# KiCad board A64-OlinuXino_Rev_C.kicad_pcb (continued)
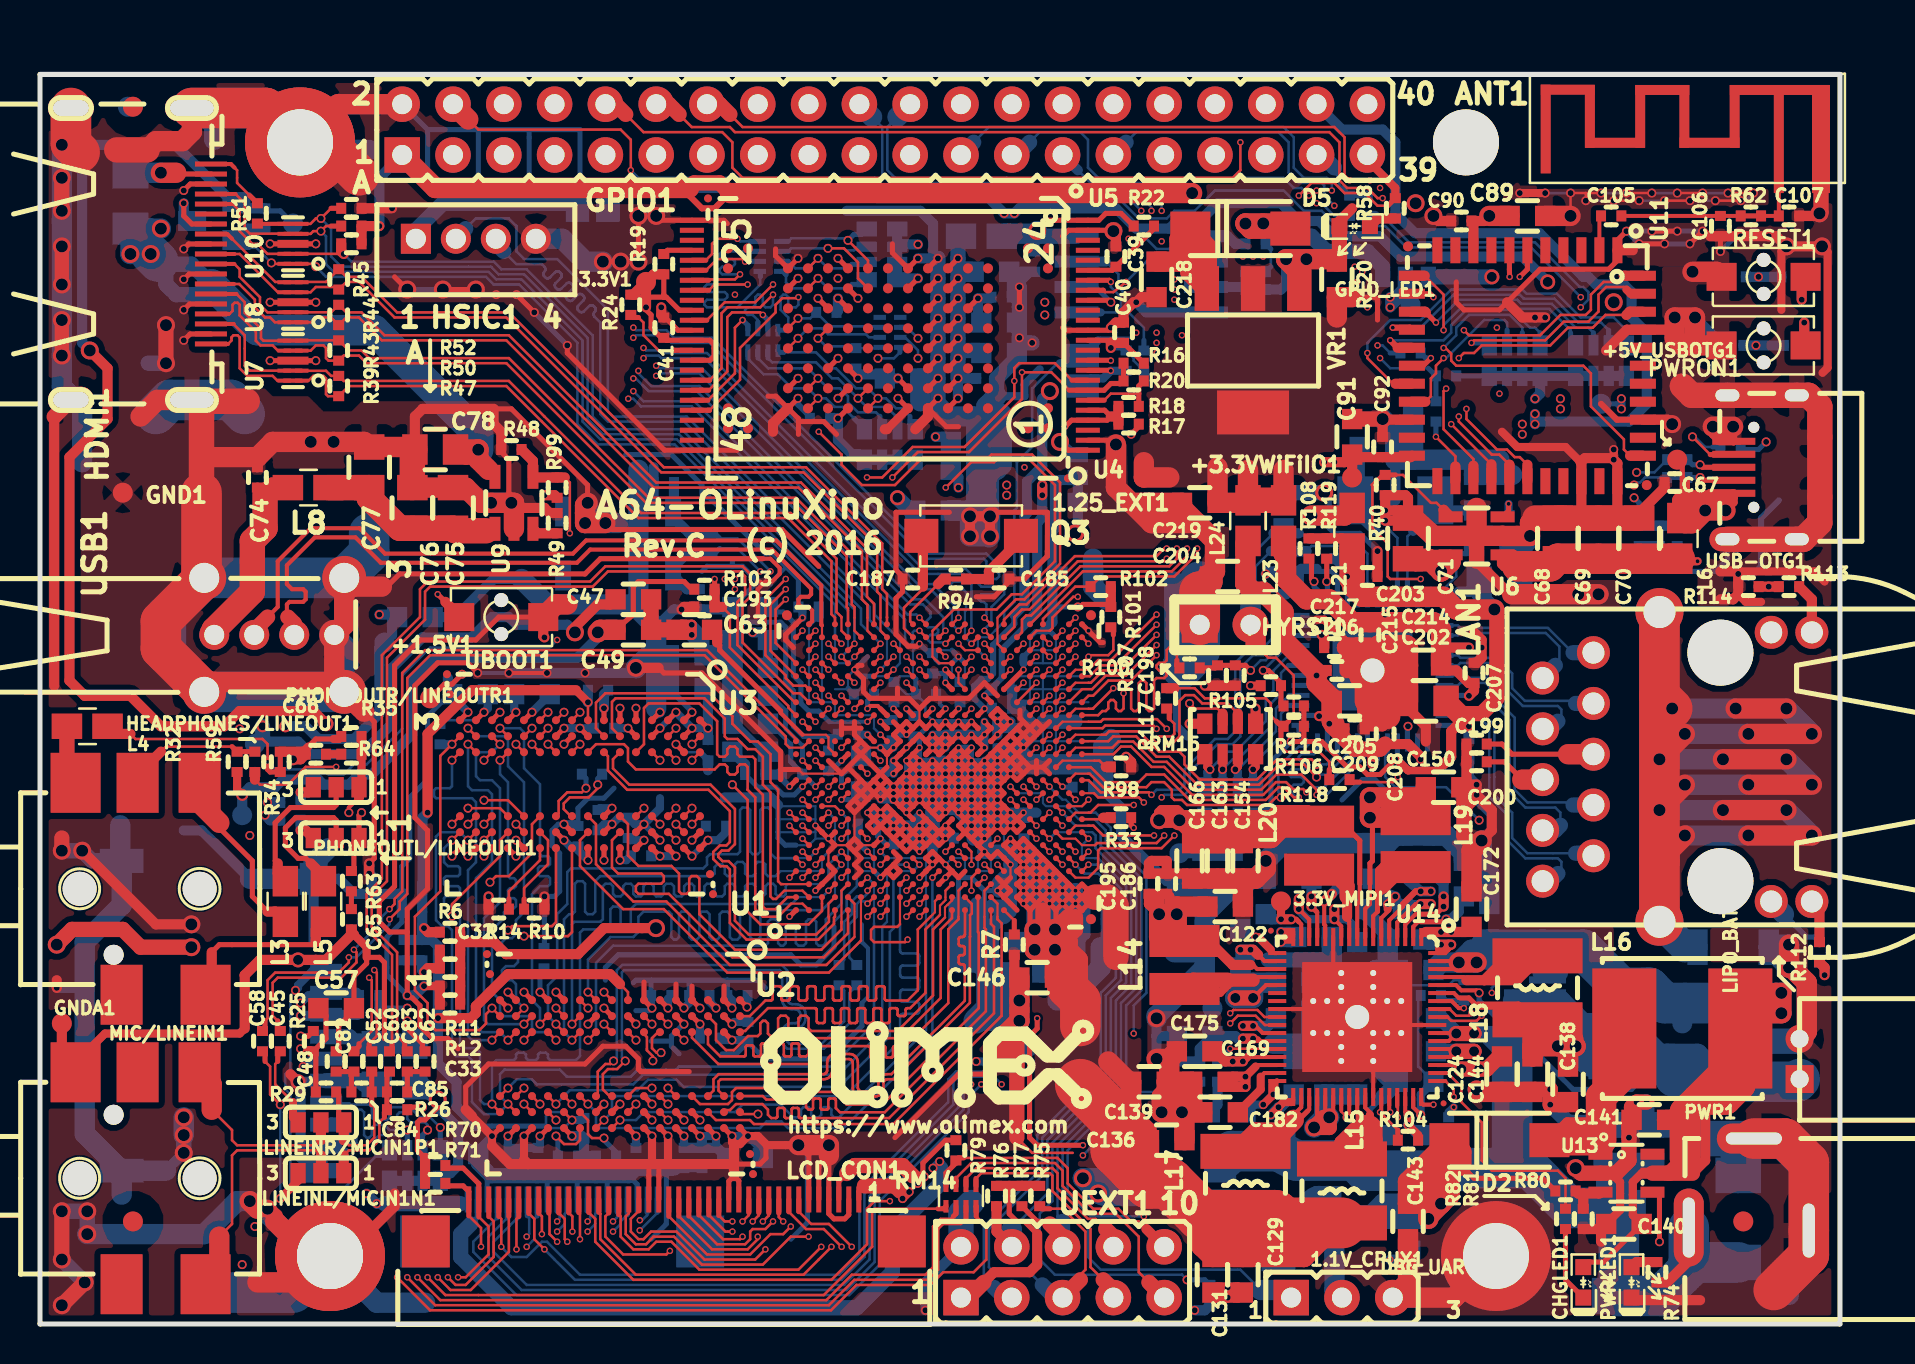
[diagram p0: board, top side]
## Routing (per net, layer and track width the routed paths; a pad name or vN(x,y) marks a point on that pad's centre or on a via; arc(x,y) is an arc through that point) (continued)
SPI0_CS: length 177.7
  Top w0.127: U1.P19 v4(46.57,32.72) ; v4(19.38,2.34) 20.27,1.45 39.19,1.45 41.6,3.86 41.6,5.64 41.73,5.77 44.91,5.77
  Top w0.254: v4(53.54,48.18) 53.52,48.2 U4.10 ; RM14.4.2 45.18,5.77 44.91,5.77
  In2.Cu w0.127: v4(53.54,48.18) 49.86,48.18 49.48,48.56 47.7,48.56 46.94,49.33 46.94,50.6 46.4,51.14 46.4,51.6 46.2,51.8 37.4,51.8 35.68,53.52 35,53.52 34.87,53.39 34.87,52.88 33.6,51.61 27.89,51.61 24.08,47.8 17.6,47.8 14.94,45.14 12.9,45.14 11.89,44.12 4.14,44.12 1.73,41.71 1.73,26.21 3.76,24.18 3.76,20.37 2.36,18.97 2.36,10.08 7.7,4.75 10.24,4.75 10.62,4.37 11.25,4.37 12.52,5.64 15.32,5.64 17.6,3.35 18.36,3.35 v4(19.38,2.34)
  In3.Cu w0.107: 46.9,33.05 47.55,33.05
  In3.Cu w0.127: v4(46.57,32.72) 46.9,33.05 ; 47.55,33.05 47.88,33.38 47.88,34.13 48.34,34.59 48.34,37.52 49.35,38.53 49.35,42.34 49.99,42.98 49.99,44.5 50.75,45.26 51.38,45.26 53.16,47.04 53.16,47.8 v4(53.54,48.18) 54.05,48.69 54.05,50.6 54.31,50.85 54.31,51.49 54.81,51.99 54.81,53.9 v4(54.43,54.28)
  Bottom w0.127: 57.1,54.41 56.46,53.77 55.83,53.77 55.32,54.28 v4(54.43,54.28)
  Bottom w0.508: R53.1 59.77,54.03 59.38,54.41 U12.1 57.1,54.41
SPI0_MISO: length 187.9
  Top w0.127: 53.16,51.7 53.25,51.61 53.67,51.61 v4(54.31,52.12) ; U1.K18 v4(43.32,32.08) ; 46.81,5.39 47.32,4.88 47.32,3.23 46.69,2.59 45.16,2.59 44.53,1.96 40.82,1.96 39.55,0.69 19.51,0.69 v4(17.86,2.34)
  Top w0.254: 53.13,51.7 53.16,51.7 U4.17 ; 46.81,5.39 46.81,5.88 RM14.1.2
  In2.Cu w0.107: 44.15,35.99 44.3,35.84 44.3,32.56
  In2.Cu w0.127: v4(43.32,32.08) 43.66,32.08 43.92,32.33 44.15,32.33 44.3,32.49 44.3,32.56 ; 44.15,35.99 43.76,36.37 43.76,40.18 44.15,40.56 44.15,42.47 44.78,43.1 48.97,43.1 v4(49.22,42.85) ; v4(54.31,52.12) 53.67,52.76 52.91,52.76 52.15,53.52 48.21,53.52 46.69,55.04 41.1,55.04 40.97,55.17 39.83,55.17 39.7,55.04 34.62,55.04 34.11,54.53 34.11,53.26 33.22,52.38 27.51,52.38 23.7,48.56 17.22,48.56 14.55,45.9 12.27,45.9 11.25,44.88 3.76,44.88 0.97,42.09 0.97,25.83 3,23.8 3,23.29 2.62,22.91 0.97,22.91 0.71,22.66 0.71,20.24 1.6,19.36 1.6,9.32 6.93,3.99 9.86,3.99 10.74,3.1 10.74,1.32 11.25,0.81 16.33,0.81 v4(17.86,2.34)
  In3.Cu w0.127: v4(49.22,42.85) 49.73,43.36 49.73,44.63 50.62,45.52 51.24,45.52 52.02,46.3 52.02,48.95 54.05,50.98 54.05,51.87 v4(54.31,52.12)
  Bottom w0.127: 57.1,53.14 55.32,53.14 v4(54.31,52.12)
  Bottom w0.508: U12.2 57.1,53.14
SPI0_MOSI: length 174.4
  Top w0.127: 46.3,5.25 46.05,5 45.16,5 44.91,4.75 44.91,2.72 44.4,2.21 40.72,2.21 39.45,0.94 19.76,0.94 v4(18.36,2.34) ; v4(47.22,34.03) U1.T21
  Top w0.254: RM14.2.2 46.3,5.25 ; v4(53.54,52.12) 53.46,52.2 U4.18
  In2.Cu w0.127: v4(53.54,52.12) 53.16,52.5 52.78,52.5 52.02,53.26 48.08,53.26 46.56,54.79 40.97,54.79 40.84,54.91 39.95,54.91 39.83,54.79 34.75,54.79 34.37,54.41 34.37,53.14 33.35,52.12 27.64,52.12 23.83,48.31 17.35,48.31 14.68,45.64 12.52,45.64 11.51,44.63 3.89,44.63 1.22,41.96 1.22,25.96 3.25,23.93 3.25,20.75 1.85,19.35 1.85,9.58 7.19,4.24 9.98,4.24 11,3.23 11,1.58 11.51,1.07 16.08,1.07 17.73,2.72 17.98,2.72 v4(18.36,2.34)
  In3.Cu w0.107: 46.9,34.35 46.9,35.65
  In3.Cu w0.127: v4(53.54,52.12) 53.03,51.61 53.03,50.85 51.51,49.33 51.51,46.53 51,46.02 50.37,46.02 49.22,44.88 49.22,43.87 48.59,43.23 48.59,42.47 48.84,42.22 48.84,38.79 47.83,37.77 47.83,36.58 46.9,35.65 ; v4(47.22,34.03) 46.9,34.35
  Bottom w0.127: 53.03,50.6 53.8,50.6 54.05,50.85 54.05,51.36 53.54,51.87 v4(53.54,52.12)
  Bottom w0.406: 53.03,50.6 U12.5
TWI0-SCK: length 64.7
  Top w0.127: v4(20.9,2.34) 21.28,2.34 22.43,3.48 22.43,4.88 21.94,5.36 ; U1.W11 v4(49.82,26.88)
  Top w0.254: R70.1 20.4,7.8 21.16,7.8 21.94,7.02 LCD_CON1.39 21.94,5.36
  In2.Cu w0.127: 50.24,27.74 50.24,27.74 ; 50.24,27.74 51.76,27.74 52.15,27.36 53.03,27.36 53.67,26.72 53.67,26.47 55.07,25.07 55.07,24.56 54.56,24.05 54.56,21.77 54.56,21.77 54.56,16.94 53.29,15.67 53.29,13.39 51.51,11.61 50.88,11.61 49.1,9.83 44.15,9.83 40.84,6.53 33.48,6.53 29.29,2.34 v4(20.9,2.34) ; 50.24,27.74 49.82,27.32 v4(49.82,26.88)
TWI0-SDA: length 57.5
  Top w0.127: v4(22.05,3.87) 22.05,4.8 21.44,5.41 ; U1.AA10 v4(50.47,26.22)
  Top w0.254: R71.1 20.4,6.91 21.16,6.91 21.44,6.63 LCD_CON1.40 21.44,5.41
  In2.Cu w0.107: U1.AA10 50.8,27.08 50.93,27.2 51.45,27.2
  In2.Cu w0.127: v4(22.05,3.87) 22.69,3.23 29.41,3.23 33.22,7.04 40.59,7.04 43.89,10.34 48.84,10.34 50.62,12.12 51.26,12.12 52.78,13.64 52.78,15.93 54.05,17.2 54.05,22.02 54.05,22.02 54.05,25.32 53.16,26.21 53.16,26.47 52.78,26.85 51.8,26.85 51.45,27.2 ; v4(50.47,26.22) U1.AA10
TWI1-SCK: length 35.1
  Top w0.127: 52.02,2.21 52.02,2.46 52.27,2.72 52.27,4.62 51.13,5.77 50.5,5.77 ; U1.AC4 v4(52.43,22.97)
  Top w0.254: 50.5,5.77 50.11,5.77 R75.2
  Top w0.762: UEXT1.5 52.02,2.21
  Bottom w0.127: v4(52.43,22.97) 52.84,22.97 54.05,21.77 54.05,17.2 53.29,16.43 53.29,12.5 50.11,9.32 50.11,7.42 47.45,4.75 47.45,2.84 47.7,2.59 49.48,2.59 50.11,1.96
  Bottom w0.762: 50.11,1.96 50.75,1.32 UEXT1.5
TWI1-SDA: length 29.4
  Top w0.127: 50.5,5 50.24,5 ; v4(51.12,25.58) U1.AA9
  Top w0.254: 50.5,5 50.37,5.13 49.86,5.13 R77.2
  Top w0.762: 50.5,5 51.13,4.37 UEXT1.6
  Bottom w0.127: 51.13,5.13 50.88,5.39 50.88,8.94 54.05,12.12 54.05,16.05 54.81,16.81 54.81,22.15 53.03,23.93 53.03,24.56 52.67,24.92 51.78,24.92 v4(51.12,25.58)
  Bottom w0.762: UEXT1.6 51.13,5.13
UART3-RX: length 27
  Top w0.127: U1.AC7 v4(52.43,24.28)
  Top w0.508: R76.2 47.83,4.62 UEXT1.4
  Bottom w0.107: 52.1,23.95 52.1,23.42 52.22,23.3 52.75,23.3
  Bottom w0.127: v4(52.43,24.28) 52.1,23.95 ; 52.75,23.3 52.9,23.3 54.31,21.89 54.31,17.07 53.54,16.31 53.54,12.37 50.37,9.19 50.37,6.53 48.59,4.75
  Bottom w1.016: UEXT1.4 48.59,4.75
UART3-TX: length 26.9
  Top w0.127: U1.AB5 v4(51.78,22.97)
  Bottom w0.127: v4(51.78,22.97) 52.22,22.53 52.91,22.53 53.8,21.64 53.8,17.32 53.03,16.56 53.03,12.62 49.86,9.45 49.86,7.54 47.19,4.88 47.19,2.34 47.7,1.83
  Bottom w0.762: 47.7,1.83 48.21,1.32 UEXT1.3
UBOOT: length 63.3
  Top w0.127: U1.F17 v4(40.72,30.78)
  Top w0.254: 20.27,36.12 v4(19.89,36.5)
  Top w0.508: UBOOT1.1 20.96,35.42 20.27,36.12
  In2.Cu w0.127: v4(19.89,36.5) 21.92,38.53 24.84,38.53 25.48,37.9 32.21,37.9 32.21,37.9 33.48,36.63 34.62,36.63 v4(34.75,36.75)
  In3.Cu w0.107: 40.4,30.45 39.1,30.45
  In3.Cu w0.127: 39.1,30.45 38.78,30.78 37.55,30.78 35.64,32.69 35.64,33.45 34.87,34.21 34.87,36.63 v4(34.75,36.75) 33.6,36.75 33.35,37.01 33.35,37.39 34.87,38.91 34.87,40.44 32.33,42.98 32.33,47.93 31.57,48.69 31.57,55.8 30.56,56.82 25.1,56.82 24.33,57.6 24.33,59.87 24.08,60.12 ; v4(40.72,30.78) 40.4,30.45
  In3.Cu w0.508: 24.08,60.12 GPIO1.6
USB0-D_N: length 62.3
  Top w0.127: U1.B22 v4(38.78,34.67)
  Top w0.254: v2(83.01,42.34) 83.15,42.2 84.68,42.2
  In2.Cu w0.152: 39.19,35.35 39.19,35.34 ; 39.19,35.35 39.46,35.35 39.57,35.23 39.57,34.98 39.7,34.85 39.95,34.85 40.08,34.98 40.08,35.23 40.2,35.34 40.43,35.34 40.98,35.9 40.98,40.75 40.6,41.13 40.6,42.67 43.19,45.25 50.68,45.25 50.93,45.5 55.12,45.5 56.01,46.39 68.84,46.39 69.86,47.41 71.63,47.41 73.03,48.81 76.22,48.81 77.74,47.28 79.77,47.28 80.07,46.98 80.07,44.67 82.23,42.52 82.83,42.52 v2(83.01,42.34) ; 39.19,35.35 38.78,34.93 v4(38.78,34.67)
  Bottom w0.254: R87.2 v2(83.01,42.34)
USB0-D_P: length 62.3
  Top w0.127: U1.A22 v4(38.12,34.67)
  Top w0.254: v2(83.01,42.98) 83.13,42.85 84.68,42.85
  In2.Cu w0.152: v4(38.12,34.67) 39.07,35.62 40.31,35.62 40.7,36.02 40.7,40.63 40.32,41.01 40.32,42.78 43.07,45.53 50.56,45.53 50.82,45.78 55.01,45.78 55.9,46.67 68.73,46.67 69.74,47.69 71.52,47.69 72.91,49.09 76.33,49.09 77.86,47.56 79.89,47.56 80.35,47.1 80.35,44.79 82.34,42.8 82.83,42.8 v2(83.01,42.98)
  Bottom w0.254: v2(83.01,42.98) 82.63,42.98 R86.2
USB0-DRV: length 40.9
  Top w0.127: 66.62,41.96 66.62,39.8 67.39,39.04 67.39,37.39 67.51,37.26 v4(69.04,37.26) ; 67.77,42.47 68.15,42.47 69.54,41.07 69.83,41.07 70.18,40.72
  Top w0.203: v4(69.67,10.97) 69.16,10.97 69.06,11.08 U14.51 ; R40.2 67.13,42.47 66.62,41.96
  Top w0.254: 67.77,42.47 R40.2
  Top w0.508: 70.21,40.69 70.18,40.72 70.53,40.37
  In2.Cu w0.127: v4(69.67,10.97) 69.67,18.74 69.54,18.87 69.54,20.24 69.29,20.5 68.78,20.5 68.53,20.75 68.53,21.89 69.16,22.53 69.16,27.23 68.53,27.86 68.53,29.13 67.89,29.77 67.89,30.02 68.4,30.53 68.4,35.87 69.04,36.5 v4(69.04,37.26)
USB1-DRV: length 48.8
  Top w0.107: 47.88,34.03 47.88,35.33
  Top w0.127: 47.88,35.33 48.8,36.25 49.22,36.25 51,38.02 51,42.09 49.61,43.48 47.57,43.48 47.45,43.36 44.15,43.36 42.75,41.96 41.1,41.96 40.08,42.98 40.08,43.48 v4(38.94,44.63) ; v4(26.49,39.55) 26.49,42.09 26.24,42.34 ; U1.U21 47.88,34.03
  Top w0.508: R48.2 24.65,43.17 U9.4 24.68,42.34 R99.2 26.24,42.34
  In2.Cu w0.127: v4(38.94,44.63) 38.05,43.74 38.05,39.04 37.79,38.79 34.24,38.79 33.6,39.42 26.62,39.42 v4(26.49,39.55)
Net-(3.3V/VCC-PE:2.8V1-Pad2): length 23.7
  Top w0.254: v2(51.89,35.86) 52.02,35.86 52.15,35.99 53.42,35.99 R101.2 ; U1.U18 v4(49.18,32.72)
  Top w0.508: R102.2 R101.2
  Bottom w0.107: 50.15,33.05 50.15,33.7 ; 50.15,33.05 50.68,33.05 50.8,33.17 50.8,33.7 ; 50.15,33.05 49.18,33.05 ; 50.15,33.7 50.15,34.35 ; 50.15,33.7 50.8,33.7 ; 50.15,33.7 49.5,33.7 49.5,34.35 ; 50.8,33.7 50.8,34.35
  Bottom w0.254: 50.15,34.63 50.24,34.72 ; 50.15,34.63 49.78,34.63 49.5,34.35 ; 50.15,34.63 50.52,34.63 50.8,34.35 ; 50.15,34.63 50.15,34.35 ; 49.18,33.38 49.5,33.7 ; v2(51.89,35.86) 50.62,35.86 ; v4(49.18,32.72) 49.18,33.05
  Bottom w0.406: 49.18,33.05 49.18,33.38
  Bottom w0.508: 50.75,37.26 C194.2 ; C194.2 50.62,37.64 50.62,39.67 50.75,39.8 50.75,41.96 51,42.22 51.76,42.22 3.3V/VCC-PE:2.8V1.2 ; C194.2 50.62,37.13 50.62,35.1 50.24,34.72
Net-(ANT1-Pad1): length 4.7
  Top w0.196: R62.2 C107.2 ANT1.1
Net-(C37-Pad2): length 2.7
  Top w0.254: U5.E4 v2(46.9,51.3)
  Bottom w0.508: C37.2 47.51,51.3 v2(46.9,51.3) 46.9,50.26 C38.2
Net-(C39-Pad1): length 4.3
  Top w0.254: R22.1 55.7,54.79 53.62,52.7 U4.19
Net-(C42-Pad1): length 16.8
  Top w0.254: v2(45.9,53.3) U5.F2 ; v2(45.9,51.3) U5.F4 ; v2(45.9,49.3) U5.F6 ; v2(45.9,47.3) U5.F8 ; U5.F9 v2(45.9,46.3) ; U5.F3 v2(45.9,52.3) ; U5.F7 v2(45.9,48.3) ; U5.F5 v2(45.9,50.3)
  Bottom w0.508: v2(45.9,46.3) v2(45.9,47.3) 46.81,47.3 C44.1
  Bottom w0.762: 45.9,52.76 v2(45.9,52.3) v2(45.9,51.3) v2(45.9,50.3) v2(45.9,49.3) 45.9,48.69 ; 45.9,52.76 46.56,52.76 C42.1 ; 45.9,52.76 v2(45.9,53.3) 45.9,54.26 L1.2 ; 45.9,48.69 v2(45.9,48.3) v2(45.9,47.3) ; 45.9,48.69 46.94,48.69 C43.1
Net-(C45-Pad1): length 4.1
  Top w0.127: 12.65,11.1 11.76,11.99 11.76,13 11.89,13.13
  Top w0.254: 11.89,13.13 11.89,13.51 C45.1
  Top w0.406: 12.65,11.1 12.65,10.34 LINEINR/MICIN1P1.3
Net-(C48-Pad2): length 2
  Top w0.254: C48.2 C82.1 15.57,12.5 C84.2
Net-(C51-Pad1): length 5.3
  Top w0.127: U1.C11 v4(38.78,26.88)
  Bottom w0.203: 37.54,29.01 36.91,29.64
  Bottom w0.254: v4(38.78,26.88) 38.15,27.5 C51.1 38.11,27.55 37.54,28.12 37.54,29.01 ; 36.78,29.64 36.91,29.64 C53.1 36.78,29.64
Net-(C52-Pad1): length 7.7
  Top w0.127: 16.59,10.97 16.71,10.85 16.71,9.32 16.33,8.94 15.44,8.94 15.19,9.19
  Top w0.254: R29.1 14.94,11.48 14.94,10.34 LINEINR/MICIN1P1.1 ; 16.59,10.97 C84.1 C52.1
  Top w0.508: LINEINR/MICIN1P1.1 15.19,9.19
Net-(C54-Pad2): length 24.9
  Top w0.127: U1.G13 v4(42.03,28.17) ; v4(41.38,27.53) U1.F12
  In2.Cu w0.107: 41.05,29.15 41.05,31.1 41.05,31.25 40.4,31.9 40.4,32.4 39.75,33.05 38.62,33.05 38.07,33.59 ; 40.4,30.45 40.4,31.58 40.22,31.75 39.92,31.75 39.27,32.4 38.57,32.4 38.45,32.53 38.45,32.88 38.09,33.24 37.92,33.24
  In2.Cu w0.127: 40.4,30.45 40.72,30.12 40.72,28.17 v4(41.38,27.53) ; 37.92,33.24 37.41,33.24 36.19,34.47 35.76,34.47 v2(35.64,34.59) 35.86,34.82 36.3,34.82 37.53,33.59 38.07,33.59 ; v4(42.03,28.17) 41.7,28.17 41.05,28.83 41.05,29.15
  Bottom w0.508: v2(35.64,34.59) 36.02,34.59 C54.2 C56.2
Net-(C55-Pad1): length 4.5
  Top w0.127: U1.B12 v4(38.12,28.17)
  Bottom w0.203: 38.12,28.93 37.29,29.77 37.29,30.02
  Bottom w0.254: 37.29,30.02 37.29,30.66 36.53,31.42 C55.1 ; v4(38.12,28.17) 38.12,28.93
Net-(C57-Pad2): length 14.7
  Top w0.254: v2(19.13,10.85) 18.49,10.85 R26.2 ; v2(13.03,13.77) 13.54,13.77 R25.1 ; R29.2 13.79,13.51 R25.1 ; R25.1 14.3,14.28 14.3,15.42 C57.2
  In3.Cu w0.254: v2(19.13,10.85) 14.81,10.85 14.43,11.23 14.43,13.26 13.92,13.77 v2(13.03,13.77)
Net-(C58-Pad1): length 9.5
  Top w0.127: 11.25,13.13 11.51,12.88 11.51,11.48 v2(12.01,10.97) ; LINEINL/MICIN1N1.3 12.9,7.42
  Top w0.254: 11.25,13.13 11.25,13.51 C58.1
  Top w0.406: v2(12.01,6.27) 12.9,7.16 LINEINL/MICIN1N1.3
  Bottom w0.127: v2(12.01,10.97) v2(12.01,6.27)
Net-(C59-Pad1): length 5.3
  Top w0.127: U1.B11 v4(38.12,26.88)
  Bottom w0.254: R27.1 35.89,26.85 36.78,26.85 37.16,26.47 37.72,26.47 v4(38.12,26.88)
  Bottom w0.508: R27.1 35.25,27.99 C59.1
Net-(C60-Pad1): length 6.6
  Top w0.127: 17.22,10.34 16.97,10.08 16.97,9.19 16.46,8.69 15.44,8.69 15.19,8.43
  Top w0.254: 17.22,10.34 17.22,10.59 R26.1 C85.1 17.35,12.5 C60.1
  Top w0.508: LINEINL/MICIN1N1.1 15.19,8.43
Net-(C61-Pad1): length 2.4
  Top w0.127: v4(40.07,26.88) U1.E11
  Bottom w0.254: C61.1 40.07,27.44 v4(40.07,26.88)
Net-(C61-Pad2): length 1.6
  Top w0.127: U1.E10 v4(40.07,26.22)
  Bottom w0.254: C61.2 40.64,26.22 v4(40.07,26.22)
Net-(C62-Pad1): length 1.9
  Top w0.254: C62.1 C83.1 C85.2
Net-(C63-Pad1): length 9.5
  Top w0.107: 38.12,29.47 39.3,29.47 39.43,29.35 39.43,28.83
  Top w0.127: 39.43,28.83 U1.D13
  Top w0.203: 38.12,29.47 37.03,30.57 37.03,30.66
  Top w0.254: 33.86,34.09 33.99,33.96 33.99,33.71 37.03,30.66
  Top w0.508: 33.86,34.09 33.86,34.47 C63.1
Net-(C64-Pad1): length 4.7
  Bottom w0.762: 15.82,14.02 15.48,14.37 MICRO_SD1.4
  Bottom w1.016: 15.95,14.02 15.82,14.02 C64.1 L2.2
Net-(C65-Pad2): length 0.9
  Top w0.254: C65.2 R63.1
Net-(C66-Pad2): length 0.8
  Top w0.406: R64.1 C66.2
Net-(C68-Pad2): length 13.2
  Top w0.406: v4(82.88,38.15) 82.12,38.15 L6.1
  Top w0.508: 74.24,37.9 73.67,38.47 U6.1 73.1,38.44 73.1,38.02 73.23,37.9 73.86,37.9
  Top w1.524: 73.86,37.9 75.51,37.9 C68.2 C69.2 C70.2 L6.1
  Bottom w0.406: v4(82.88,38.15) 82.63,38.15 R38.2
Net-(C74-Pad1): length 9.9
  Top w0.508: C74.1 11.25,41.45
  Top w1.016: 11.25,41.45 11.63,41.83 L8.2
  Top w1.27: 11.25,41.45 11.25,39.8 10.62,39.17 10.62,36.63 8.71,34.72 USB1.1
Net-(C75-Pad2): length 9.6
  Top w0.508: 22.3,39.67 22.65,39.67 U9.1
  Top w1.27: 22.3,39.67 20.78,39.67 C75.2 C76.2 17.98,39.8 16.46,41.33 C77.2 L8.1
Net-(C86-Pad2): length 1.2
  Top w0.508: v2(13.03,26.59) 13.41,26.59 PHONEOUTR/LINEOUTR1.3
  Bottom w0.508: C86.2 v2(13.03,26.59)
Net-(C87-Pad2): length 1.3
  Top w0.508: v2(13.03,24.69) 13.28,24.69 PHONEOUTL/LINEOUTL1.3
  Bottom w0.508: C87.2 v2(13.03,24.69)
Net-(C105-Pad1): length 1.8
  Top w0.196: C105.1 77.97,55.34 U11.2
Net-(C105-Pad2): length 6
  Top w0.196: C105.2 C106.2 R62.1
Net-(C125-Pad2): length 2.7
  Top w0.203: 61.54,18.72 61.71,18.55 U14.18
  Top w0.406: v2(60.78,19.36) 60.91,19.36 61.54,18.72
  Bottom w0.406: v2(60.78,19.36) 60.4,19.36 C125.2 60.27,19.48
Net-(C135-Pad1): length 30.3
  Top w0.203: 71.01,16.31 70.94,16.31 70.69,16.55 U14.63
  Top w0.254: 71.01,16.31 71.45,16.31 71.77,15.99 71.89,15.99 71.96,15.93
  Top w0.406: 71.96,15.93 73.91,15.93 L18.1
  Top w0.762: v3(76.78,13.89) 76.78,14.28 75.84,15.22 L18.1 75.72,15.22
  Top w1.016: C138.1 76.4,13.89 v3(76.78,13.89) v3(75.9,13.89) 74.62,13.89 C144.1 74.62,14.96 L18.1
  Bottom w0.356: T1.5 T1.6 ; T1.2 T1.1
  Bottom w1.016: 75.9,16.18 74.78,16.18 T1.7 74.72,16.18 73.65,16.18 ; 75.9,16.18 75.85,16.18 ; 75.9,16.18 v3(75.9,13.89) v3(76.78,13.89) 76.78,14.91 76.91,15.04 C135.1 ; 75.9,16.18 76.02,16.18 77.16,15.04 C135.1 ; C135.1 77.67,13.26 77.55,13.13 R78.1
  Bottom w1.524: v3(76.78,13.89) 77.55,13.13 R78.1
Net-(C143-Pad2): length 27.7
  Top w0.254: 75.77,6.68 R80.1 75.13,7.29 71.7,7.29 71.07,7.92
  Top w1.016: v3(70.05,6.02) 69.42,5.39 v3(69.42,5.26) ; v3(70.05,6.02) 70.47,6.44 70.47,7.67 ; v3(70.05,6.02) C143.2 ; C143.2 68.4,7.12 D2.1 ; C143.2 68.66,6.02 70.47,7.84 70.31,7.67 70.47,7.67 ; 70.47,7.67 D2.1 ; 71.07,7.92 71.07,8.6 D2.1
  Bottom w1.016: 69.42,5.39 v3(69.42,5.26) 66.78,5.26 FET2.2 67.16,6.02 v3(70.05,6.02) 69.42,5.39
Net-(C149-Pad1): length 3.1
  Top w0.203: 62.56,11.1 62.66,11.2 U14.35
  Top w0.406: 62.56,11.1 62.18,11.1 v2(61.93,10.85) v2(61.54,10.47)
  Bottom w0.508: v2(61.54,10.47) v2(61.93,10.85) 62.05,10.85 62.69,11.48
Net-(C151-Pad1): length 3.3
  Top w0.203: U14.34 61.77,12.15
  Top w0.254: 61.67,11.99 61.84,12.15 U14.34
  Top w0.406: v2(61.16,10.97) v2(61.67,11.48)
  Top w0.508: 61.67,11.99 v2(61.67,11.48)
  Bottom w0.406: 60.66,10.97 v2(61.16,10.97) v2(61.67,11.48)
  Bottom w0.508: 60.66,10.97 C151.1
Net-(C174-Pad2): length 4
  Top w0.203: 69.04,20.12 68.91,20.12 68.66,19.87 U14.2
  Top w0.254: 69.04,20.12 70.18,20.12 v2(70.31,20.24)
  Bottom w0.508: C174.2 70.94,21.13 70.94,20.62 70.56,20.24 v2(70.31,20.24)
Net-(C177-Pad2): length 71.5
  Top w0.127: 70.37,15.35 70.56,15.16 71.83,15.16 v4(72.09,15.42)
  Top w0.203: U14.60 70.37,15.35
  In2.Cu w0.127: v4(77.04,50.85) 77.8,50.09 80.47,50.09 81.61,48.95 v2(85.8,48.95)
  In3.Cu w0.127: v4(72.09,15.42) 72.09,15.67 66.88,20.88 66.88,21.39 67.89,22.4 67.89,26.59 68.4,27.1 68.4,27.38 67.97,27.81 67.59,27.81 67.34,28.07 67.34,28.63 67.13,28.83 67.13,30.66 68.02,31.55 68.02,37.9 70.31,40.18 71.17,40.18 73.2,42.22 73.86,42.22 76.78,45.14 76.78,47.93 77.04,48.18 v4(77.04,50.85)
  Bottom w0.127: 66.75,55.42 67.13,55.42 68.45,54.1 74.75,54.1 76.99,51.87 77.16,51.87 77.42,51.61 77.42,51.23 v4(77.04,50.85)
  Bottom w0.508: R91.2 v2(85.8,48.95) C177.2 ; 66.37,55.42 66.75,55.42
Net-(C181-Pad2): length 7.6
  Top w0.203: v2(69.04,10.47) 68.66,10.84 U14.50
  Bottom w0.127: C181.2 68.91,12.88 68.91,16.31 R92.2
  Bottom w0.406: C181.2 69.04,11.48 v2(69.04,10.47)
Net-(C182-Pad2): length 3.2
  Top w0.203: 61.04,12.37 61.22,12.55 U14.33
  Top w0.406: 61.04,12.37 61.04,11.73 C182.2
Net-(C183-Pad1): length 13.8
  Top w0.127: U1.B19 v4(38.12,32.72)
  In3.Cu w0.127: v4(36.53,37.64) 36.53,36.25 37.29,35.48 37.29,34.09 38.12,33.25 v4(38.12,32.72)
  Bottom w0.127: v4(36.53,37.64) 34.87,39.29 33.99,39.29 ; 33.63,39.55 R93.1
  Bottom w0.203: 33.73,39.55 R93.1
  Bottom w0.254: 33.73,39.55 33.99,39.29
  Bottom w0.508: C183.1 31.7,40.68 Q2.1 31.66,40.35 32.46,39.55 R93.1
Net-(C184-Pad1): length 14.9
  Top w0.127: v4(38.78,32.08) U1.C18
  In3.Cu w0.127: v4(38.78,32.08) 38.54,32.31 37.92,32.31 37.67,32.56 37.67,33.33 37.03,33.96 37.03,35.36 36.27,36.12 36.27,37.39 v4(36.02,37.64)
  Bottom w0.127: 33.99,38.79 34.87,38.79 v4(36.02,37.64)
  Bottom w0.203: R93.2 33.73,38.53
  Bottom w0.254: R93.2 33.57,38.57 ; 33.73,38.53 33.99,38.79
  Bottom w0.508: C184.1 32.34,36.75 Q2.2 ; Q2.2 31.7,37.4 ; Q2.2 31.66,37.85 32.33,38.53 R93.2
Net-(C185-Pad1): length 4
  Top w0.508: C185.1 47.45,37.64 49.05,39.24 Q3.1 ; C185.1 R94.2 ; C185.1 47.44,37.27
Net-(C187-Pad1): length 5.7
  Top w0.127: 44.15,36.88 44.15,36.77 43.2,35.83 43.2,34.8 U1.K22
  Top w0.508: 44.15,36.88 C187.1 44.15,39.34 Q3.2
Net-(C188-Pad2): length 22.5
  Top w0.127: U1.P16 v4(46.57,30.78)
  In2.Cu w0.107: 46.9,32.4 46.9,34.35 46.9,34.88 ; 46.25,35 46.25,34.35 46.25,32.4 45.7,32.4 45.6,32.5 45.6,34.35 45.6,35 46.25,35
  In2.Cu w0.127: 46.9,34.88 46.62,35.15 46.4,35.15 ; 46.57,32.08 46.9,32.4
  In2.Cu w0.254: 46.25,32.4 46.57,32.08 v4(46.57,30.78) ; 45.41,35.61 45.41,35.19 45.6,35 ; 45.41,35.74 46.18,35.74 46.43,35.48 46.43,35.18 46.25,35
  In2.Cu w0.406: 45.41,35.61 45.41,36.37 44.91,36.88 44.91,39.55 45.29,39.93 45.29,41.07 45.92,41.71 v2(45.92,41.83)
  Bottom w0.508: C188.2 45.92,42.34 v2(45.92,41.83)
Net-(C192-Pad2): length 10
  Top w0.127: U1.G16 v4(41.38,30.12)
  Bottom w0.203: v4(41.38,30.12) 39.47,30.12
  Bottom w0.254: 39.47,30.12 38.94,30.66 38.43,30.66 38.05,31.04 38.05,32.06 37.67,32.44 37.67,35.1 37.16,35.61 36.65,35.61 C192.2
Net-(C196-Pad2): length 160.9
  Top w1.016: v3(85.42,24.44) v3(88.59,24.44) ; v3(87.32,25.7) v3(84.15,25.7) ; v3(80.97,25.7) v3(82.25,26.97) ; v3(85.42,26.97) v3(88.59,26.97) ; v3(87.32,28.25) v3(84.15,28.25) ; v3(80.97,28.25) v3(82.25,29.52) ; v3(85.42,29.52) v3(88.59,29.52) ; v3(87.32,30.78) v3(84.78,30.78) ; v3(81.61,30.78) 80.97,31.42 ; 80.97,23.17 v3(82.25,24.44)
  Top w2.032: 80.97,31.42 LAN1.SH1 ; 80.97,31.42 v3(81.61,30.78) ; 80.97,31.42 LAN1.SH2
  In1.Cu w2.032: LAN1.SH1 LAN1.SH2
  In2.Cu w2.032: LAN1.SH1 LAN1.SH2
  In3.Cu w2.032: LAN1.SH2 LAN1.SH1
  In4.Cu w2.032: LAN1.SH2 LAN1.SH1 LAN1.SH2
  Bottom w1.016: v3(82.25,24.44) v3(85.42,24.44) ; v3(88.59,24.44) v3(87.32,25.7) ; v3(84.15,25.7) v3(80.97,25.7) ; v3(82.25,26.97) v3(85.42,26.97) ; v3(88.59,26.97) v3(87.32,28.25) ; v3(84.15,28.25) v3(80.97,28.25) ; v3(82.25,29.52) v3(85.42,29.52) ; v3(88.59,29.52) v3(87.32,30.78) ; v3(84.78,30.78) v3(81.61,30.78) ; C196.2 82.25,18.85
  Bottom w1.524: 82.25,18.85 LAN1.SH2
  Bottom w2.032: LAN1.SH2 LAN1.SH1
Net-(C198-Pad1): length 6.5
  Top w0.254: R100.2 58.75,32.82 R107.2 C198.1 60.27,32.94 v2(60.53,32.69)
  Bottom w0.127: v2(60.53,32.69) 61.04,33.2 61.29,33.2 62.18,34.09 62.18,34.72 62.4,34.94
  Bottom w0.254: 62.4,34.94 U15.35
Net-(C199-Pad2): length 5.5
  Top w0.254: C199.2 73.1,29.01 73.61,28.5 76.4,28.5
  Top w1.016: LAN1.5 76.4,28.5
Net-(C200-Pad2): length 3.2
  Top w0.254: C200.2 73.23,28.12 74.12,27.23
  Top w1.016: LAN1.6 74.12,27.23
Net-(C204-Pad2): length 30.7
  Top w0.381: v2(69.04,28.25) 69.04,28.37
  Top w0.508: v2(63.83,32.44) 63.96,32.31 C206.2 ; 69.04,28.37 68.4,29.01 C208.2 ; 64.72,30.02 C209.2 ; v2(64.47,30.02) 64.59,30.15 64.59,30.28 64.47,30.4 v2(63.96,30.4) ; 61.16,36.63 61.29,36.5 v2(61.67,36.5) ; 66.62,28.75 v2(66.62,27.99)
  Top w0.762: 64.59,30.15 64.59,29.9 65.74,28.75 67,28.75 C208.2
  Top w1.016: 64.72,30.02 64.59,30.15 C205.2 64.59,31.29 63.83,32.06 v2(63.83,32.44) 63.83,32.56 62.18,34.21 62.18,35.61 61.16,36.63 60.66,36.63 60.27,37.01 C204.2 60.27,39.04 L24.1
  Bottom w0.254: v2(63.83,32.44) 63.83,32.44 U15.30 ; v2(63.96,30.4) 63.92,30.44 U15.26 ; v2(64.47,30.02) 64.37,29.93 U15.23 ; U15.39 64.87,37.36 64.59,37.64 63.96,37.64 63.83,37.77 ; U15.14 68.87,28.41 v2(69.04,28.25) ; v2(66.62,27.99) 66.87,28.24 U15.18
  Bottom w0.508: v2(61.67,36.5) 62.31,36.5 62.94,37.13 C210.2 63.07,37.77 63.83,37.77
Net-(C207-Pad2): length 21.1
  Top w0.508: v2(71.45,31.42) 71.7,31.67 C207.2 71.45,32.06 70.81,32.69 70.31,32.69 C214.2 ; v2(67.26,35.48) 67.39,35.1 67.39,35.09 ; 66.5,35.1 66.5,35.23 66.5,35.1 ; 66.5,35.1 C215.2 ; v2(71.45,33.83) 70.18,33.83 70.05,33.96
  Top w1.016: C214.2 70.05,34.72 69.67,35.1 67.39,35.1 ; 67.39,35.1 65.61,35.1 64.47,36.25 63.32,36.25 62.31,37.26 62.31,38.41 62.18,38.53 L23.1 ; 67.39,35.1 67.26,35.1 ; 67.39,35.09 67.26,35.09
  Bottom w0.254: v2(71.45,33.83) 71.34,33.94 U15.4 ; v2(71.45,31.42) 71.43,31.44 U15.9 ; v2(67.26,35.48) 67.37,35.6 U15.44
Net-(C211-Pad2): length 31.8
  Top w0.127: 62.05,29.39 62.05,28.88 62.31,28.63 63.96,28.63 64.47,28.12 64.47,27.74 ; 60.78,33.96 61.42,33.33 61.8,33.33 62.69,32.44 62.69,30.91 ; 62.69,30.91 62.69,30.78 ; 62.69,30.91 62.69,30.4 62.43,30.15 ; 56.72,31.8 57.73,31.8 58.24,31.29 61.29,31.29 61.54,31.04 61.54,30.42 61.82,30.15
  Top w0.254: 62.05,29.39 62.05,29.77 R116.1 ; R116.1 62.07,29.9 61.82,30.15 ; R116.1 62.43,30.15 ; R118.1 64.47,27.74
  Top w0.508: R117.1 56.72,31.8